# Altium PCB LM25119_EVB.PcbDoc (continued)
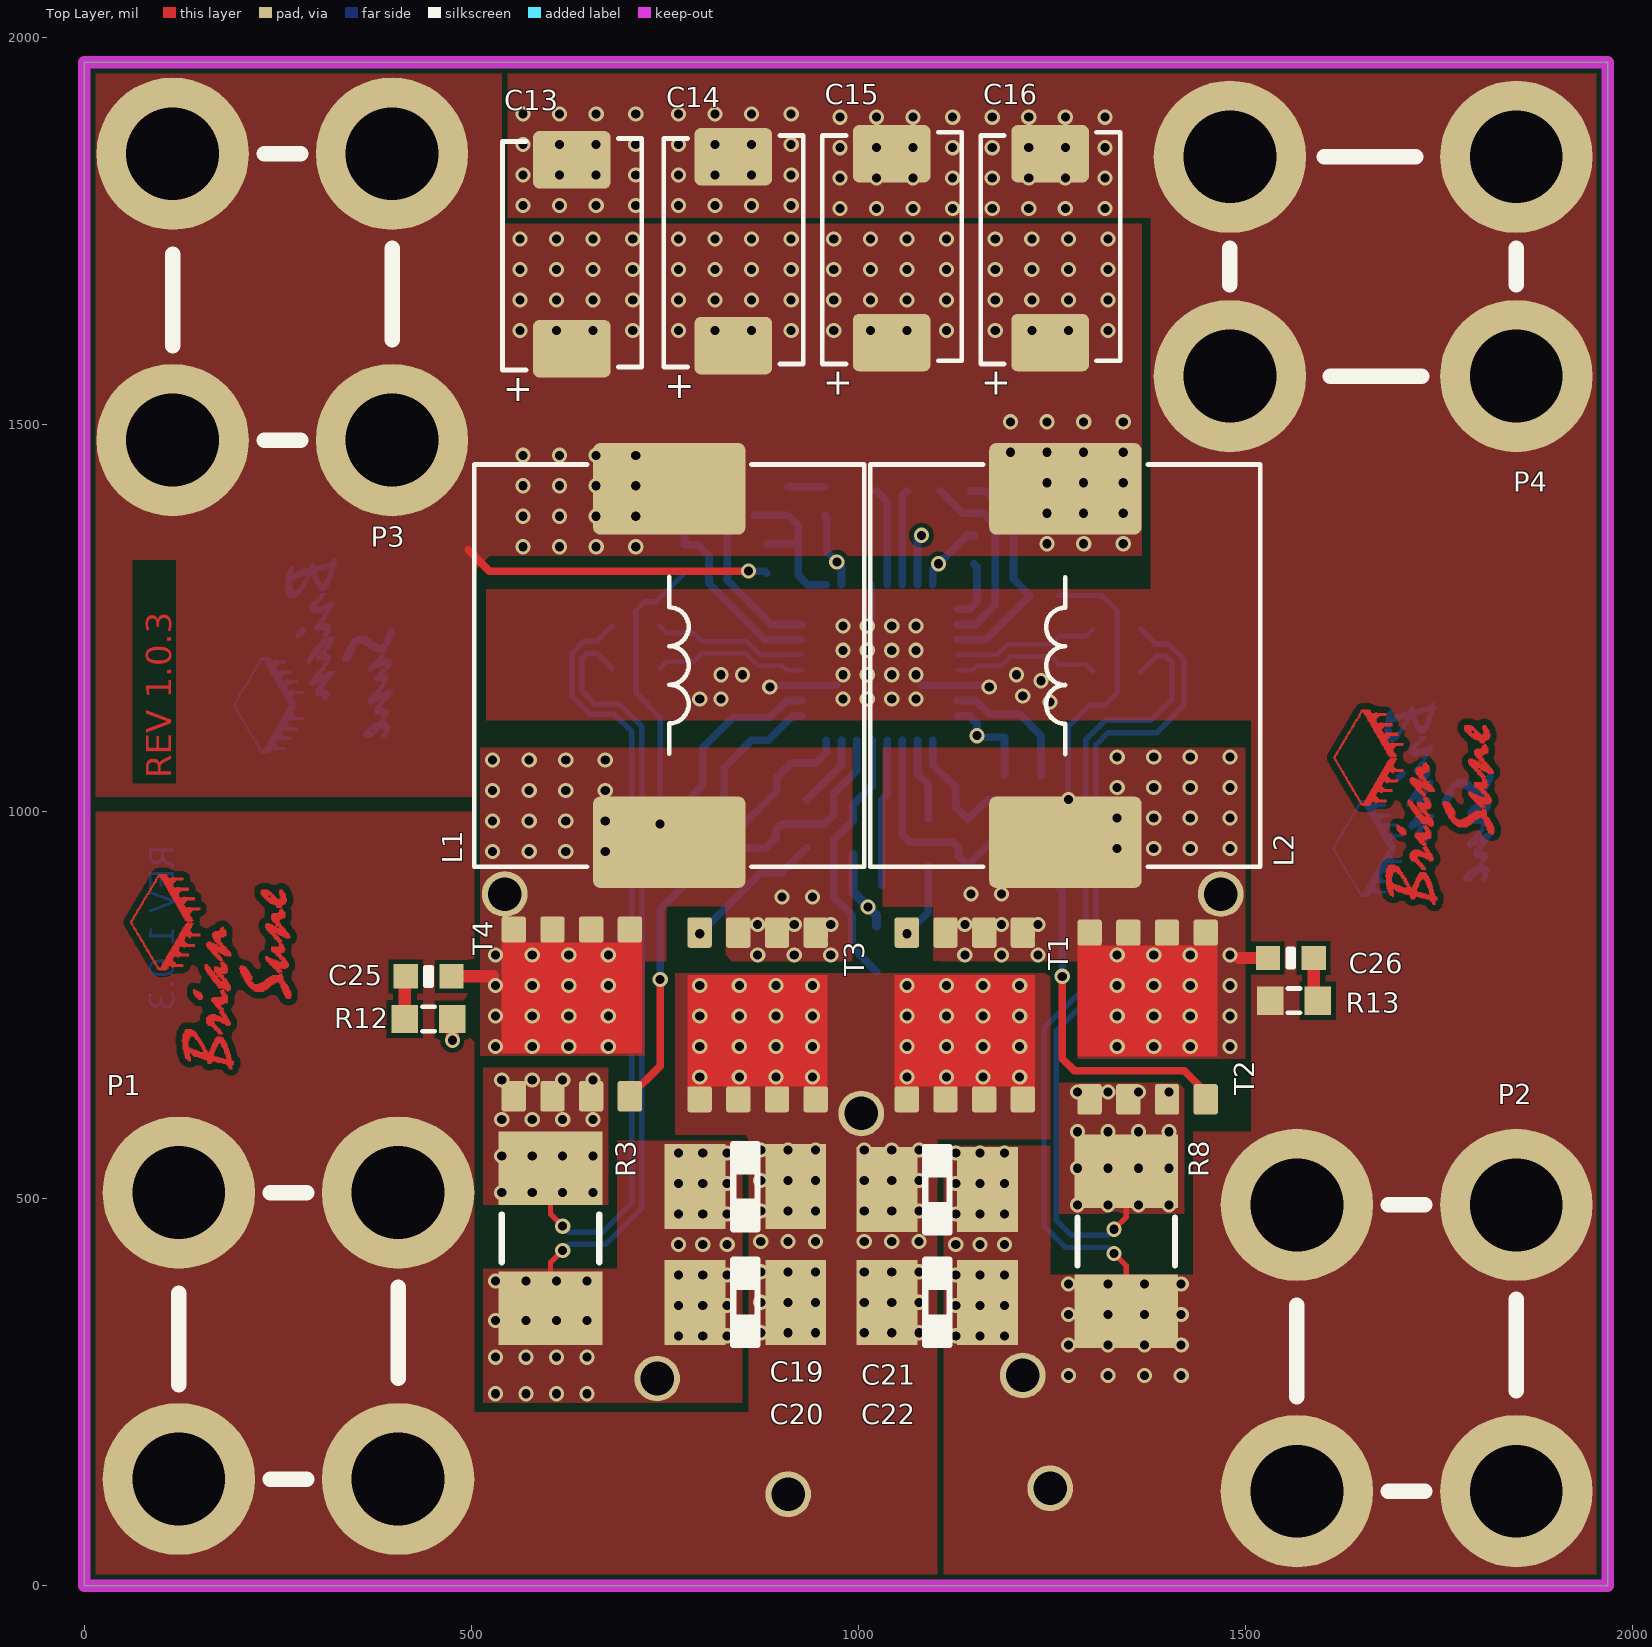
[diagram p0: Top Layer view]
## Layer stack, top to bottom
Top Solder: solder mask 0.4, Solder Resist, Dk 3.5
Top Layer: signal copper 1.4
Dielectric 2: prepreg 3.9133, PP-012, Dk 4.3
Layer 1: signal copper 0.5984
Dielectric 1: core 49.8031, Core-042, Dk 4.3
Layer 2: signal copper 0.5984
Dielectric 3: prepreg 3.9133, PP-012, Dk 4.3
Bottom Layer: signal copper 1.4
Bottom Solder: solder mask 0.4, Solder Resist, Dk 3.5

## Board outline
0,0 0,1968.5 1968.5,1968.5 1968.5,0

## Design rules (kind name [scope] priority, off if disabled: settings)
Clearance [All] p1: gap=6 ignorepadtopadclearanceinfootprint=FALSE except(0: Arc-Hole Track-Hole SMDPad-Hole THPad-Hole Via-Hole Fill-Hole Region-Hole Text-Hole; 7: Arc-Poly Track-Poly Fill-Poly Poly-Hole; 8: SMDPad-Region THPad-Poly THPad-Region Poly-Poly Poly-Region)
ComponentClearance [All] p1: gap=11.81 collisioncheckmode=3 verticalgap=11.81 showdistances=FALSE
DiffPairsRouting [All] p1: maxlimit=10 minlimit=6 mostfreqgap=8 toplayer_minwidth=6 toplayer_maxwidth=15 toplayer_prefwidth=8 midlayer1_minwidth=6 midlayer1_maxwidth=15 midlayer1_prefwidth=8 midlayer2_minwidth=6 midlayer2_maxwidth=15 midlayer2_prefwidth=8 bottomlayer_minwidth=6 bottomlayer_maxwidth=15 bottomlayer_prefwidth=8 maxuncoupledlength=500
Height [All] p1: minheight=0 maxheight=1574.8 prefheight=500
HoleSize [All] p1: absolutevalues=TRUE maxlimit=236.22 minlimit=1 maxpercent=80.000 minpercent=20.000
HoleToHoleClearance [All] p1: gap=3 allowstackedmicrovias=TRUE
MinimumSolderMaskSliver [All] p1: minsoldermaskwidth=1
PlaneConnect [All] p1: planeconnectstyle=Direct reliefexpansion=20 reliefentries=4 reliefconductorwidth=10 reliefairgap=10
PolygonConnect [All] p1: connectstyle=Direct reliefconductorwidth=12 reliefentries=4 polygonreliefangle="90 Angle" airgapwidth=12
RoutingVias [All] p1: holewidth=15.75 width=23.62 viastyle="Through Hole" minholewidth=11.81 minwidth=19.68 maxholewidth=110.24 maxwidth=118.11
SilkToSilkClearance [All] p1: silktosilkclearance=3
SilkToSolderMaskClearance [IsPad] p1: minsilkscreentomaskgap=1 clearancetoexposedcopper=TRUE
SolderMaskExpansion [All] p1: expansion=1
Width [All] p1: maxlimit=40 minlimit=6 preferedwidth=10
21 further rules are at their usual default settings.

## Classes and differential pairs
differential pair CS2: +CS2_P -CS2_N
differential pair CS1: +CS1_P -CS1_N

## Components (designator, comment, footprint, x,y, rotation, side; value= is the part's Value field where it differs from the comment)
B1 "0R" 0603 1090.55,960.63 r270 bottom
B2 "0R" 0603 1236.22,1015.75 r270 bottom
B3 "0R" 0603 933.07,984.25 r90 bottom
B4 "0R" 0603 779.53,984.25 r90 bottom
B5 "10R" 0603 712.6,1240.16 r0 bottom
B6 "10R" 0603 1334.65,1236.22 r0 bottom
B7 "10R" 0603 712.6,1185.04 r0 bottom
B8 "10R" 0603 1334.65,1181.1 r0 bottom
C1 "1uF" C0603 1188.98,1125.98 r90 bottom
C2 "100nF" C0603 1141.73,960.63 r90 bottom
C3 "47nF" 0402 818.9,1401.57 r270 bottom
C4 "47nF" 0402 1106.3,1433.07 r270 bottom
C5 "220nF" 0402 1062.99,1433.07 r270 bottom
C6 "820pF" 0402 1145.67,1433.07 r270 bottom
C7 "1uF" C0603 1023.62,822.83 r90 bottom
C8 "1uF" C0603 862.2,1122.05 r90 bottom
C9 "100nF" C0603 881.89,984.25 r90 bottom
C10 "820pF" 0402 775.59,1401.57 r270 bottom
C11 "5n6F" 0402 909.45,1401.57 r270 bottom
C12 "1nF" 0402 940.94,1346.46 r180 bottom
C13 "330uF" 7343 629.92,1720.47 r90 top
C14 "330uF" 7343 838.58,1724.41 r90 top
C15 "330uF" 7343 1043.31,1728.35 r90 top
C16 "330uF" 7343 1248.03,1728.35 r90 top
C17 "220pF" 0402 1011.81,905.51 r0 bottom
C19 "10uF" 1210 854.33,515.75 r0 top
C20 "10uF" 1210 854.33,366.14 r0 top
C21 "10uF" 1210 1102.36,511.81 r180 top
C22 "10uF" 1210 1102.36,366.14 r180 top
C23 "1nF" 0402 787.4,1212.6 r270 bottom
C24 "1nF" 0402 1259.84,1208.66 r270 bottom
C25 "1uF" C0603 444.88,787.4 r180 top
C26 "1uF" C0603 1559.06,811.02 r0 top
D1 "BAS516" SOD-523 1188.98,1015.75 r90 bottom
D2 "BAS516" SOD-523 826.77,984.25 r90 bottom
L1 "3.3uH" L126X 755.91,1188.98 r90 top locked
L2 "3.3uH" L126X 1267.72,1188.98 r270 top locked
P1 "M4_CON" PCBComponent_1 263.78,322.83 r0 top
P2 "M4_CON" PCBComponent_1 1708.66,307.09 r180 top
P3 "M4_CON" PCBComponent_1 255.91,1665.35 r180 top
P4 "M4_CON" PCBComponent_1 1665.35,1704.72 r270 top
R1 "0R" 0402 1149.61,1338.58 r270 bottom
R2 "36k5" 0402 1240.16,1279.53 r0 bottom
R3 "R003" R2512 602.36,448.82 r90 top
R4 "8k87" 0402 1011.81,944.88 r0 bottom
R5 "100k" 0402 1011.81,988.19 r180 bottom
R6 "21k5" 0402 1023.62,1433.07 r270 bottom
R7 "36k5" 0402 775.59,1326.77 r270 bottom
R8 "R003" R2512 1346.46,444.88 r90 top
R9 "12k" 0402 956.69,1401.57 r90 bottom
R10 "4k7" 0402 881.89,1326.77 r90 bottom
R11 "1k5" 0402 866.14,1401.57 r270 bottom
R12 "0R" 0603 444.88,732.28 r0 top
R13 "0R" 0603 1562.99,755.91 r180 top
T1 "BSC034N06NS" PQFNWB5x6 1137.8,736.22 r270 top
T2 "BSC034N06NS" PQFNWB5x6 1374.02,736.22 r90 top
T3 "BSC034N06NS" PQFNWB5x6 870.08,736.22 r270 top
T4 "BSC034N06NS" PQFNWB5x6 629.92,740.16 r90 top
U1 "LM25119" WQFN32 1027.56,1192.91 r0 bottom

## Footprints (in the part's own frame and the unit in brackets; to place one, negate y for a bottom-side part, rotate by r counter-clockwise, add the part's x,y. Pads: shape width x height; smd on the part's side, far side on the other; paste and mask are expansions set on the pad)
0402 [mil]
  rrect35% 20x22 smd: 1(-18.5,0) 2(18.5,0)
  silkscreen extent 0,-8 0,8, body extent -20,-10 20,10, height 20
0603 [mm]
  rect 0.87x0.93 smd: 1(-0.78,0) 2(0.78,0)
  silkscreen extent -0.2,-0.4 0.2,0.4, body extent -0.8,-0.4 0.8,0.4, height 0.8
1210 [mil]
  rect 78.74x110 smd paste+0 mask+0: 1(-65,0) 2(65,0)
  silkscreen extent -16,-55 16,55, body extent -73,-55 73,55, height 110
7343 [mil]
  rrect20% 74x100 smd: 1(-122.05,0) 2(122.05,0)
  silkscreen extent -150,-91 150,90, body extent -147,-88 147,89, height 124
C0603 [mm]
  rect 0.8x0.8 smd: 1(-0.75,0) 2(0.75,0)
  silkscreen extent -0.1,-0.3 0.1,0.3, body extent -0.8,-0.4 0.8,0.4, height 0.81
L126X [mm]
  rrect15% 3x5 smd: 1(-5.8,0) 2(5.8,0)
  silkscreen extent -6.6,-6.4 6.6,6.4, body extent -6.44,-6.25 6.46,6.25, height 6.4
PCBComponent_1 [mm]
  round 5 hole 3.05: 1(-3.6,-4.7) 1(-3.6,4.7) 1(3.6,-4.7) 1(3.6,4.7)
  silkscreen extent -3.6,-4.7 3.6,4.7
PQFNWB5x6 [mm]
  rrect20% 1x0.8 smd: 1(-2.738,1.905) 2(-2.738,0.635) 3(-2.738,-0.635) 4(-2.738,-1.905)
  rrect20% 0.85x0.8 smd: 5(2.738,-1.905) 6(2.738,-0.635) 7(2.738,0.635) 8(2.738,1.905)
  Top Layer region: 2.2,-2.3 2.454,-2.3 2.454,-1.5 2.2,-1.5
  Top Layer region: 2.2,-1.035 2.454,-1.035 2.454,-0.235 2.2,-0.235
  Top Layer region: 2.2,0.235 2.454,0.235 2.454,1.035 2.2,1.035
  Top Layer region: -1.338,-2.3 2.312,-2.3 2.312,2.3 -1.338,2.3
  Top Layer region: 2.454,2.3 2.2,2.3 2.2,1.5 2.454,1.5
  Top Layer region: -0.564,1.166 -0.564,1.166 -0.564,1.166 -0.564,1.166 -0.564,1.166 -0.564,1.166 -0.564,1.166 -0.564,1.166
  Top Layer region: -0.564,-1.166 -0.564,-1.166 -0.564,-1.166 -0.564,-1.166 -0.564,-1.166 -0.564,-1.166 -0.564,-1.166 -0.564,-1.166
  body extent -3.07,-2.57 3.08,2.58, height 1
R2512 [mil]
  rect 95x134 smd paste+0 mask+0: 1(-90.5,0) 2(90.5,0)
  silkscreen extent -31,-63 31,63, body extent -126,-63 126,63, height 23
SOD-523 [mm]
  rrect15% 0.7x0.5 smd: 1(-0.8,0) 2(0.8,0)
  silkscreen extent -0.19,-0.38 0.19,0.38, body extent -0.91,-0.42 0.92,0.42, height 0.71
WQFN32 [mm]
  rrect50% 0.85x0.245 smd: 1(-2.55,1.75) 2(-2.55,1.25) 3(-2.55,0.75) 4(-2.55,0.25) 5(-2.55,-0.25) 6(-2.55,-0.75) 7(-2.55,-1.25) 8(-2.55,-1.75) 17(2.55,-1.75) 18(2.55,-1.25) 19(2.55,-0.75) 20(2.55,-0.25) 21(2.55,0.25) 22(2.55,0.75) 23(2.55,1.25) 24(2.55,1.75)
  rrect50% 0.245x0.85 smd: 9(-1.75,-2.55) 10(-1.25,-2.55) 11(-0.75,-2.55) 12(-0.25,-2.55) 13(0.25,-2.55) 14(0.75,-2.55) 15(1.25,-2.55) 16(1.75,-2.55) 25(1.75,2.55) 26(1.25,2.55) 27(0.75,2.55) 28(0.25,2.55) 29(-0.25,2.55) 30(-0.75,2.55) 31(-1.25,2.55) 32(-1.75,2.55)
  rrect10% 3.1x3.1 smd: 33(0,0)
  silkscreen extent -2.7,-3.5 3.5,3.5, body extent -2.6,-2.6 2.6,2.6, height 0.71

## Part data
B1 B2 B3 B4 R12 R13: "0R 1/10W +/-1%", Mfr.=UNIOHM, ComponentLink1Description=taobao, ComponentLink1URL=https://item.taobao.com/item.htm?spm=a1z10.3-c-s.w4002-24706531953.10.66736a4boyPN1N&id=584519288165, Mfr. No=0R, Price=0.016
B5 B6 B7 B8: library part ARG03DTC0100, "10R 1/10W +/-0.5%", Mfr.=Viking, ComponentLink1Description=taobao, ComponentLink1URL=https://item.taobao.com/item.htm?spm=a1z09.2.0.0.6e162e8dlKCeMq&id=632526730087&_u=c10quk0k836f, Mfr. No=ARG03DTC0100, Price=0.044
C1 C7 C8 C25 C26: library part OUDEIBUN_1uF, "0603 1UF 16V 10% 105K X5R", Mfr.=OUDEIBUN, Mfr. No=105K, ComponentLink1Description=taobao, ComponentLink1URL=https://detail.tmall.com/item.htm?abbucket=11&id=610883455002&rn=96f7b0dde361d4c3b62eb7ab1af2da05&skuId=4292434832790&spm=a1z10.3-b.w4011-22147617817.48.46817d1eD6aiZS, Price=0.03
C2 C9: library part OUDEIBUN_100nF, "0603 100NF 50V 10% 104K X7R", Mfr.=OUDEIBUN, Mfr. No=104K, ComponentLink1Description=taobao, ComponentLink1URL=https://detail.tmall.com/item.htm?_u=p10quk0k2f35&id=610651934672&spm=a1z09.2.0.0.77b12e8d9iVia0&skuId=4463522550238, Price=0.025
C3 C4: library part OBEIDUN_47nF, "0402 47nF 473K 16V X7R", Mfr.=OBEIDUN, Mfr. No=473K, ComponentLink1Description=taobao, ComponentLink1URL=https://detail.tmall.com/item.htm?abbucket=13&id=610175557402&rn=d6bd0513a8f4c3e4804911bb922d3d96&skuId=4463850175314&spm=a1z10.3-b.w4011-22147617817.39.63c07d1eHWIor4, Price=0.03
C5: library part OBEIDUN_220nF, "0402 220nF 224K  50V X7R", Mfr.=OBEIDUN, Mfr. No=224K, ComponentLink1Description=taobao, ComponentLink1URL=https://detail.tmall.com/item.htm?abbucket=11&id=610639075445&rn=c45cf579a90ea6adc9060b093ff18dcd&skuId=4463795831944&spm=a312a.7700824.w4011-22147617817.53.51a47d1eimiUpx, Price=0.03
C6 C10: library part OBEIDUN_680pF, "680pF 50V 100V +/-5% 681J COG", Mfr.=OBEIDUN, Mfr. No=681J, ComponentLink1Description=taobao, ComponentLink1URL=https://detail.tmall.com/item.htm?abbucket=13&id=609631499278&rn=f5bd684ac3f51c46f888ad99ccd96ebe&spm=a1z10.3-b.w4011-22147617817.52.66d87d1eD7edtj&skuId=4450047134670, Price=0.02
C11: library part OBEIDUN_5n6F, "0402 562K 5.6NF 50V X7R", Mfr.=OBEIDUN, Mfr. No=562K, ComponentLink1Description=taobao, ComponentLink1URL=https://detail.tmall.com/item.htm?_u=i10quk0kb5ea&id=609907244741&spm=a1z09.2.0.0.485e2e8ddN1cee, Price=0.015
C12: library part OBEIDUN_22pF, "0402 22pF 50V 20J COG NPO", Mfr.=OBEIDUN, Mfr. No=220J, ComponentLink1Description=taobao, ComponentLink1URL=https://detail.tmall.com/item.htm?abbucket=13&id=609430597564&rn=a1c8a15a7d6b2f90e38db74694a5b856&spm=a1z10.3-b.w4011-22147617817.40.15037d1etTZYEz&skuId=4280449596223, Price=0.02
C13 C14 C15 C16: library part 6TPF330M9L, "6TPF330M9L 330UF 6.3V D Type", Mfr.=Panasonic, ComponentLink1Description=taobao, ComponentLink1URL=https://detail.tmall.com/item.htm?id=675742361610&spm=a1z0d.6639537/tb3.1997196601.4.3f437484l6zfPv, Mfr. No=6TPF330M9L, Price=2.5
C17: library part OBEIDUN_220pF, "OBEIDUN 0402 221J COG 50V", Mfr.=OBEIDUN, Mfr. No=221J, ComponentLink1Description=taobao, ComponentLink1URL=https://detail.tmall.com/item.htm?_u=l10quk0k03aa&id=608895064566&spm=a1z09.2.0.0.10c82e8dL5BzWq&skuId=4453182071791, Price=0.02
C19 C20 C21 C22: library part OUBEIDUN_106_X7R, "1210 10UF 106K 100V X7R", Mfr.=OUBEIDUN, Mfr. No=10uF/100V, ComponentLink1Description=taobao, ComponentLink1URL=https://detail.tmall.com/item.htm?_u=q10quk0k91e6&id=610720536810&spm=a1z09.2.0.0.680e2e8dgSrizI&skuId=4470822090146, Price=0.6
C23 C24: library part RAINPOLE_2n2F, "RAINPOLE 0402 2.2nF 5% 50V NPO", Mfr.=RAINPOLE, Mfr. No=222J, ComponentLink1Description=taobao, ComponentLink1URL=https://detail.tmall.com/item.htm?abbucket=11&id=577480004200&rn=e81fc7a7675914d6e9f82eba46a12cbb&skuId=3986690931935&spm=a1z10.3-b-s.w4011-12364813249.37.6d9c1ed6XWLE9d, Price=0.04
D1 D2: library part OBEIDUN_BAS516, "SOD-523 100V/250mA", Mfr.=OBEIDUN, Mfr. No=BAS516,61, ComponentLink1Description=taobao, ComponentLink1URL=https://detail.tmall.com/item.htm?abbucket=11&id=627344864030&rn=9e03fb0dc0c82be40d648479edaa9265&skuId=4457291933929&spm=a1z10.3-b.w4011-22147617817.46.572e7d1eRfO8kn, Price=0.14
L1 L2: library part L1260_332, "HC1260 3R3M", Mfr.="Xing Guangzhou", Mfr. No=HC1260_3R3, ComponentLink1Description=taobao, ComponentLink1URL=https://item.taobao.com/item.htm?spm=a1z09.2.0.0.57072e8dYkUt8H&id=10840816607&_u=410quk0k837d, Price=1.2
P1 P2 P3 P4: Mfr.=LFX, Mfr. No=PCB-10-4, ComponentLink1Description=taobao, ComponentLink1URL=https://item.taobao.com/item.htm?spm=a1z09.2.0.0.45712e8dxvwLo5&id=531030902005&_u=s10quk0k994a, Price=0.41
R1: library part OUDEIBUN_0R, "OUDEIBUN / 0R 1% 1/16W", Mfr.=OUDEIBUN, ComponentLink1Description=taobao, ComponentLink1URL=https://detail.tmall.com/item.htm?abbucket=11&id=609078082053&rn=dd22835191e181ef543cf6f0827e8de3&spm=a1z10.3-b.w4011-22147617817.40.1e787d1eBkSpf5&skuId=4447040574382, Mfr. No=0R, Price=0.02
R2 R7: library part OUDEIBUN_36k5, "OUDEIBUN / 36k5 1% 1/16W", Mfr.=OUDEIBUN, ComponentLink1Description=taobao, ComponentLink1URL=https://detail.tmall.com/item.htm?abbucket=11&id=656599902463&rn=b271eb3836211a3eb1da72e116a619f1&skuId=4912168475534&spm=a1z10.3-b.w4011-22147617817.19.bd537d1eRNyfmb, Mfr. No=36k5, Price=0.02
R3 R8: library part OUDEIBUN_R003, "OUDEIBUN / 2W 0.003R +/-1%", Mfr.=OUDEIBUN, ComponentLink1Description=taobao, ComponentLink1URL=https://detail.tmall.com/item.htm?abbucket=11&id=607939756288&rn=a98d1040de4f4962c72f4eee3717b5a4&spm=a1z10.3-b.w4011-22147617817.28.6a7a7d1eCVFt1r&skuId=4272437489559, Mfr. No=R003, Price=0.33
R4: library part UNIOHM_8k87, "UNIOHM / 8k87 1% 1/16W", Mfr.=UNIOHM, Mfr. No=0402WGF8871TCE, ComponentLink1Description=taobao, ComponentLink1URL=https://item.taobao.com/item.htm?spm=a1z09.2.0.0.526a2e8dtHz0un&id=605027116229&_u=110quk0kf99f, Price=0.012
R5: library part UNIOHM_100k, "UNIOHM / 1% 100k", Mfr.=UNIOHM, ComponentLink1Description=taobao, ComponentLink1URL=https://item.taobao.com/item.htm?spm=a1z09.2.0.0.44de2e8d3IDpt5&id=525633701805&_u=o10quk0k9fd0, Mfr. No=100k, Price=0.012
R6: library part OUDEIBUN_21k5, "OUDEIBUN / 21k5 1% 1/16W", Mfr.=OUDEIBUN, ComponentLink1Description=taobao, ComponentLink1URL=https://detail.tmall.com/item.htm?_u=310quk0k3cbb&id=656218957556&spm=a1z09.2.0.0.d5442e8dvaKsoM&skuId=4912158475130, Mfr. No=21k5, Price=0.02
R9: library part OUDEIBUN_12k, "OUDEIBUN / 12k 1% 1/16W", Mfr.=OUDEIBUN, ComponentLink1Description=taobao, ComponentLink1URL=https://detail.tmall.com/item.htm?abbucket=11&id=655765932456&rn=02d1aad3326fb9002d0e9ee11440ad53&skuId=4733468228268&spm=a1z10.3-b.w4011-22147617817.23.a0227d1efWkiz2, Mfr. No=12k, Price=0.02
R10: library part OUDEIBUN_4k7, "OUDEIBUN / 4k7 1% 1/16W", Mfr.=OUDEIBUN, ComponentLink1Description=taobao, ComponentLink1URL=https://detail.tmall.com/item.htm?abbucket=11&id=609306247616&rn=b12b173379d08c9da521548aa8f3873c&spm=a1z10.3-b.w4011-22147617817.66.27437d1eyVjB3l&skuId=4279727269027, Mfr. No=4k7, Price=0.02
R11: library part OUDEIBUN_1k5, "OUDEIBUN / 1% 1k5", Mfr.=OUDEIBUN, ComponentLink1Description=taobao, ComponentLink1URL=https://detail.tmall.com/item.htm?abbucket=11&id=609080898470&rn=e8ac5f428b57ca8c5f4fd2285344b596&spm=a1z10.3-b.w4011-22147617817.56.4da07d1eK35JhM&skuId=4276063084040, Mfr. No=1k5, Price=0.02
T1 T2 T3 T4: "MPower Transistor, 60V", Mfr.="Infineon Technologies", ComponentLink1Description=taobao, ComponentLink1URL=https://detail.tmall.com/item.htm?abbucket=12&id=712516353118&ns=1&spm=a21n57.1.0.0.5a70523ceCAuo0&skuId=4992670365636, Mfr. No=BSC034N06NS, Price=4.5
U1: "Wide Input Range, Dual Synchronous Buck Controller", Mfr.="Texas Instruments", Mfr. No=LM25119PSQ, ComponentLink1Description=taobao, ComponentLink1URL=https://item.taobao.com/item.htm?spm=a1z09.2.0.0.57392e8dDftXgF&id=750183520652&_u=110quk0kdafb, Price=10.0

## Free pads (board coordinates)
  round 59.06 hole 43.31 paste+0 mask+0.04: 2(909.45,118.11) 3(1248.03,125.98) 4(543.31,893.7) 4(740.16,267.72) 4(1003.94,610.24) 4(1212.6,271.65) 4(1468.5,893.7)
  round 62.99 smd far side: 9(763.78,893.7) 9(842.52,897.64) 9(1090.55,870.08) 9(1236.22,925.2)

## Via types
v1: diameter 19.68, hole 11.81, Top Layer to Bottom Layer, tented both sides, 464 vias

## Nets (pads, with @x,y where several pads share a name; then routed paths per layer and width w, separated by ;. In a path a pad name is that pad's centre, name@x,y a point inside that pad or via, vN(x,y) a via of type N, cw(c..) or ccw(c..) an arc to the next point about the centre after c; other vN are vias at no path point)
AGND: B7.1 B8.2 C1.2 C3.1 C4.1 C5.1 C6.1 C7.2 C8.2 C10.1 C13.2 C14.2 C15.2 C16.2 C17.1 C19.1 C20.1 C21.1 C22.1 P2.1 P4.1 pad.3 pad.4@740.16,267.72 pad.4@1212.6,271.65 R3.1 R4.1 R6.1 R8.1 R11.1 R12.2 R13.2 U1.3 U1.12 U1.22 U1.33 | length 2415.1
  Top Layer w7: R3.1 602.36,417.32 v1(618.11,433.07) ; v1(1330.71,429.13) 1346.46,413.39 R8.1
  Top Layer w16: v1(475.59,704.72) R12.2
  Bottom Layer w7: v1(618.11,433.07) 625.98,440.94 673.23,440.94 720.47,488.19 720.47,1110.24 692.91,1137.8 691.61,1137.8 690.42,1138.98 660.23,1138.98 642.92,1156.29 642.92,1198.04 649.61,1204.72 662.2,1204.72 B7.1 ; U1.33@1017.72,1246.69 U1.12 ; v1(1330.71,429.13) 1322.83,437.01 1267.72,437.01 1240.16,464.57 1240.16,720.47 1294.09,774.4 1294.09,1093.3 1318.9,1118.11 1377.95,1118.11 1405.51,1145.67 1405.51,1192.91 1397.64,1200.79 1385.04,1200.79 B8.2
  Bottom Layer w10: 897.64,1163.39 U1.3 U1.33@972.44,1163.39 ; U1.33@1082.68,1163.39 U1.22 1157.48,1163.39
  Bottom Layer w12: R4.1 C17.1 993.31,896.45 v1(1012.8,876.97) 1023.62,866.14 C7.2
  other v1: 531.5,248.03 570.87,248.03 610.24,248.03 649.61,248.03 1271.65,271.65 1322.83,271.65 1370.08,271.65 1417.32,271.65 531.5,295.28 570.87,295.28 610.24,295.28 649.61,295.28 1271.65,311.02 1322.83,311.02 1370.08,311.02 1417.32,311.02 767.72,322.83 799.21,322.83 830.71,322.83 1125.98,322.83 1157.48,322.83 1188.98,322.83 531.5,342.52 570.87,342.52 610.24,342.52 649.61,342.52 1271.65,350.39 1322.83,350.39 1370.08,350.39 1417.32,350.39 767.72,362.2 799.21,362.2 830.71,362.2 1125.98,362.2 1157.48,362.2 1188.98,362.2 1271.65,389.76 1322.83,389.76 1370.08,389.76 1417.32,389.76 531.5,393.7 570.87,393.7 610.24,393.7 649.61,393.7 767.72,401.57 799.21,401.57 830.71,401.57 1125.98,401.57 1157.48,401.57 1188.98,401.57 767.72,440.94 799.21,440.94 830.71,440.94 1125.98,440.94 1157.48,440.94 1188.98,440.94 767.72,480.31 799.21,480.31 830.71,480.31 1125.98,480.31 1157.48,480.31 1188.98,480.31 767.72,519.69 799.21,519.69 830.71,519.69 1125.98,519.69 1157.48,519.69 1188.98,519.69 767.72,559.05 799.21,559.05 830.71,559.05 1125.98,559.05 1157.48,559.05 1188.98,559.05 1248.03,1141.73 795.28,1145.67 822.83,1145.67 980.31,1145.67 1011.81,1145.67 1043.31,1145.67 1074.8,1145.67 1212.6,1149.61 885.83,1161.42 1169.29,1161.42 1236.22,1169.29 822.83,1177.17 850.39,1177.17 980.31,1177.17 1011.81,1177.17 1043.31,1177.17 1074.8,1177.17 1204.72,1177.17 980.31,1208.66 1011.81,1208.66 1043.31,1208.66 1074.8,1208.66 980.31,1240.16 1011.81,1240.16 1043.31,1240.16 1074.8,1240.16 976.38,1779.53 1023.62,1779.53 1070.87,1779.53 1122.05,1779.53 1173.23,1779.53 1220.47,1779.53 1267.72,1779.53 1318.9,1779.53 566.93,1783.46 614.17,1783.46 661.42,1783.46 712.6,1783.46 767.72,1783.46 814.96,1783.46 862.2,1783.46 913.39,1783.46 976.38,1818.9 1023.62,1818.9 1070.87,1818.9 1122.05,1818.9 1173.23,1818.9 1220.47,1818.9 1267.72,1818.9 1318.9,1818.9 566.93,1822.83 614.17,1822.83 661.42,1822.83 712.6,1822.83 767.72,1822.83 814.96,1822.83 862.2,1822.83 913.39,1822.83 976.38,1858.27 1023.62,1858.27 1070.87,1858.27 1122.05,1858.27 1173.23,1858.27 1220.47,1858.27 1267.72,1858.27 1318.9,1858.27 566.93,1862.2 614.17,1862.2 661.42,1862.2 712.6,1862.2 767.72,1862.2 814.96,1862.2 862.2,1862.2 913.39,1862.2 976.38,1897.64 1023.62,1897.64 1070.87,1897.64 1122.05,1897.64 1173.23,1897.64 1220.47,1897.64 1267.72,1897.64 1318.9,1897.64 566.93,1901.57 614.17,1901.57 661.42,1901.57 712.6,1901.57 767.72,1901.57 814.96,1901.57 862.2,1901.57 913.39,1901.57
CS1_N: B7.2 C23.2 U1.4 | length 201
  Bottom Layer w6: B7.2 752.37,1194.1 C23.2 798.03,1204.72 854.33,1204.72 870.08,1188.98 901.57,1188.98 907.48,1183.07 U1.4
CS1_P: B5.2 C23.1 U1.5 | length 199.4
  Bottom Layer w6: B5.2 752.37,1231.1 C23.1 798.03,1220.47 855.55,1220.47 873.27,1202.76 U1.5
CS2_N: B8.1 C24.2 U1.21 | length 191.5
  Bottom Layer w6: U1.21 1147.64,1183.07 1153.54,1188.98 1185.04,1188.98 1196.85,1200.79 1249.22,1200.79 C24.2 1294.88,1190.16 B8.1
CS2_P: B6.1 C24.1 U1.20 | length 189.8
  Bottom Layer w6: U1.20 1179.13,1202.76 1192.91,1216.54 1249.22,1216.54 C24.1 1294.88,1227.16 B6.1
NetB1_1: B1.1 U1.26 | length 106.9
  Bottom Layer w10: U1.26 1076.77,1049.21 1090.55,1035.43 B1.1
NetB1_2: B1.2 pad.9@1090.55,870.08 T1.4 | length 98.8
  Bottom Layer w10: v1(1062.99,842.52) 1090.55,870.08 B1.2
NetB2_1: B2.1 U1.23 | length 179
  Bottom Layer w10: U1.23 1151.57,1143.7 1169.29,1125.98 1208.66,1125.98 1236.22,1098.43 B2.1
NetB2_2: B2.2 pad.9@1236.22,925.2 T2.4 | length 527.8
  Top Layer w10: v1(1263.78,787.4) 1263.78,681.1 1279.53,665.35 1421.26,665.35 1449.02,637.6 T2.4
  Bottom Layer w10: B2.2 1236.22,925.2 1263.78,897.64 v1(1263.78,787.4)
NetB3_1: B3.1 pad.9@842.52,897.64 T3.4 | length 183.8
  Bottom Layer w10: v1(795.28,842.52) 874.02,921.26 900.79,921.26 B3.1
NetB3_2: B3.2 U1.31 | length 96.3
  Bottom Layer w10: B3.2 978.35,1060.24 U1.31
NetB4_1: B4.1 pad.9@763.78,893.7 T4.4 | length 352.1
  Top Layer w10: T4.4 744.09,671.56 v1(744.09,783.46)
  Bottom Layer w10: v1(744.09,783.46) 744.09,874.02 763.78,893.7 779.53,909.45 B4.1
NetB4_2: B4.2 U1.2 | length 229.1
  Bottom Layer w10: B4.2 799.21,1034.65 799.21,1082.68 838.58,1122.05 885.83,1122.05 907.48,1143.7 U1.2
NetB5_1: B5.1 R3.2 T4.1 T4.2 T4.3 | length 1016.8
  Top Layer w7: R3.2 602.36,480.31 v1(618.11,464.57)
  Bottom Layer w7: v1(618.11,464.57) 625.98,456.69 669.29,456.69 707.47,494.87 707.47,1103.55 685.04,1125.98 653.54,1125.98 629.92,1149.61 629.92,1204.72 645.67,1220.47 662.2,1220.47 B5.1
  other v1: 539.37,507.87 578.74,507.87 618.11,507.87 657.48,507.87 539.37,555.12 578.74,555.12 618.11,555.12 657.48,555.12 539.37,602.36 578.74,602.36 618.11,602.36 657.48,602.36 539.37,653.54 578.74,653.54 618.11,653.54 657.48,653.54
NetB6_2: B6.2 R8.2 T2.1 T2.2 T2.3 | length 1069.5
  Top Layer w7: v1(1330.71,460.63) 1346.46,476.38 R8.2
  Bottom Layer w7: v1(1330.71,460.63) 1322.83,452.76 1275.59,452.76 1255.91,472.44 1255.91,716.54 1307.09,767.72 1307.09,1086.61 1322.83,1102.36 1385.83,1102.36 1421.26,1137.8 1421.26,1196.85 1401.57,1216.54 1385.04,1216.54 B6.2
  other v1: 1283.46,492.13 1322.83,492.13 1362.2,492.13 1401.57,492.13 1283.46,539.37 1322.83,539.37 1362.2,539.37 1401.57,539.37 1283.46,586.61 1322.83,586.61 1362.2,586.61 1401.57,586.61 1283.46,637.8 1322.83,637.8 1362.2,637.8 1401.57,637.8
NetC1_1: C1.1 D1.2 R1.1 U1.16 U1.24 | length 464.6
  Layer 1 w10: v1(1103.94,1320.47) 1103.94,1148.03 v1(1153.54,1098.43)
  Bottom Layer w10: U1.16 1096.46,1312.99 v1(1103.94,1320.47) 1140.55,1357.08 R1.1 ; U1.24 1143.7,1124.02 1153.54,1114.17 v1(1153.54,1098.43) 1155.51,1096.46 C1.1 D1.2
NetC2_1: C2.1 D1.1 U1.27 | length 301.5
  Bottom Layer w10: U1.27 1057.09,970.47 1066.93,960.63 1122.05,960.63 1129.92,952.76 1129.92,942.91 C2.1 1188.98,978.35 D1.1
NetC2_2: C2.2 C26.1 L2.2 pad.4@1468.5,893.7 R2.2 T1.1 T1.2 T1.3 T2.5 T2.6 T2.7 T2.8 U1.25 | length 664.9
  Top Layer w16: 1492.13,811.02 C26.1
  Bottom Layer w7: R2.2 1314.96,1279.53 1334.65,1259.84 1334.65,1153.54 1318.9,1137.8 1299.21,1137.8 1271.65,1110.24 v1(1271.65,1015.75)
  Bottom Layer w10: U1.25 1096.46,1061.02 1125.98,1031.5 1125.98,1005.91 C2.2 1167.32,1015.75 v1(1271.65,1015.75)
  other v1: 1334.65,696.85 1381.89,696.85 1429.13,696.85 1480.32,696.85 1334.65,736.22 1381.89,736.22 1429.13,736.22 1480.32,736.22 1334.65,775.59 1381.89,775.59 1429.13,775.59 1480.32,775.59 1137.8,814.96 1185.04,814.96 1232.28,814.96 1334.65,814.96 1381.89,814.96 1429.13,814.96 1480.32,814.96 1137.8,854.33 1185.04,854.33 1232.28,854.33 1145.67,893.7 1185.04,893.7 1334.65,952.76 1381.89,952.76 1429.13,952.76 1480.32,952.76 1334.65,992.13 1381.89,992.13 1429.13,992.13 1480.32,992.13 1334.65,1031.5 1381.89,1031.5 1429.13,1031.5 1480.32,1031.5 1334.65,1070.87 1381.89,1070.87 1429.13,1070.87 1480.32,1070.87
NetC3_2: C3.2 U1.7 | length 208.9
  Bottom Layer w10: C3.2 830.71,1371.26 830.71,1299.21 887.8,1242.13 U1.7
NetC4_2: C4.2 U1.18 | length 251.5
  Bottom Layer w10: C4.2 1135.04,1385.83 1161.42,1385.83 1177.17,1370.08 1177.17,1267.72 1151.57,1242.13 U1.18
NetC5_2: C5.2 U1.14 | length 123.7
  Bottom Layer w10: U1.14 1057.09,1408.67 C5.2
NetC6_2: C6.2 R2.1 U1.19 | length 294.7
  Bottom Layer w10: U1.19 1164.57,1222.44 R2.1 1200.79,1300.4 1200.79,1377.95 1164.17,1414.57 C6.2
NetC8_1: C8.1 D2.2 U1.1 | length 169.5
  Bottom Layer w10: D2.2 826.77,1057.09 C8.1 883.86,1092.52 915.35,1124.02 U1.1
NetC9_1: C9.1 D2.1 U1.30 | length 274.1
  Bottom Layer w10: D2.1 879.92,952.76 C9.1 893.7,966.54 893.7,976.38 901.57,984.25 956.69,984.25 968.5,996.06 968.5,1023.62 998.03,1053.15 U1.30
NetC9_2: C9.2 C25.1 L1.1 pad.4@543.31,893.7 R7.2 T3.1 T3.2 T3.3 T4.5 T4.6 T4.7 T4.8 U1.32 | length 703.9
  Top Layer w16: C25.1 527.56,787.4
  Bottom Layer w7: v1(744.09,984.25) 744.09,1122.05 712.6,1153.54 712.6,1259.84 724.41,1271.65 738.97,1271.65 R7.2
  Bottom Layer w10: v1(744.09,984.25) 852.36,984.25 C9.2 894.69,1026.57 894.69,1044.29 913.39,1062.99 944.88,1062.99 958.66,1076.77 U1.32
  other v1: 531.5,696.85 578.74,696.85 625.98,696.85 677.17,696.85 531.5,736.22 578.74,736.22 625.98,736.22 677.17,736.22 531.5,775.59 578.74,775.59 625.98,775.59 677.17,775.59 531.5,814.96 578.74,814.96 625.98,814.96 677.17,814.96 870.08,814.96 917.32,814.96 964.57,814.96 870.08,854.33 917.32,854.33 964.57,854.33 901.57,889.76 940.94,889.76 527.56,948.82 574.8,948.82 622.05,948.82 673.23,948.82 527.56,988.19 574.8,988.19 622.05,988.19 673.23,988.19 527.56,1027.56 574.8,1027.56 622.05,1027.56 673.23,1027.56 527.56,1066.93 574.8,1066.93 622.05,1066.93 673.23,1066.93
NetC10_2: C10.2 R7.1 U1.6 | length 261
  Bottom Layer w10: C10.2 R7.1 792.52,1345.27 807.09,1330.71 807.09,1295.28 879.92,1222.44 U1.6
NetC11_1: C11.1 R9.2 | length 47.2
  Bottom Layer w10: C11.1 R9.2
NetC11_2: C11.2 C12.2 R10.2 R11.2 U1.9 | length 208.3
  Bottom Layer w10: R11.2 C11.2 922.44,1370.08 C12.2 ; R10.2 883.07,1346.46 C12.2 ; U1.9 935.04,1293.31 922.44,1305.9 C12.2
NetC12_1: C12.1 R9.1 U1.10 U1.15 | length 288.3
  Layer 1 w10: v1(972.44,1322.83) 992.13,1342.52 1066.93,1342.52 v1(1081.69,1357.28)
  Bottom Layer w10: R9.1 959.44,1380.32 C12.1 959.44,1335.83 978.35,1316.93 U1.10 ; U1.15 1076.77,1352.36 v1(1081.69,1357.28)
NetC17_2: C17.2 R4.2 R5.1 U1.28 | length 189.9
  Bottom Layer w10: C17.2 R4.2 R5.1 1030.31,1014.56 1037.4,1021.65 U1.28
NetC25_2: C25.2 R12.1 | length 55.6
  Top Layer w16: R12.1 414.17,786.22 C25.2
NetC26_2: C26.2 R13.1 | length 57.2
  Top Layer w16: C26.2 1588.58,761.02 R13.1
NetR1_2: R1.2 U1.17 | length 79.7
  Bottom Layer w10: U1.17 1143.7,1261.81 1153.54,1271.65 1153.54,1316.15 R1.2
NetR6_2: R6.2 U1.13 | length 127
  Bottom Layer w10: R6.2 1037.4,1400.79 U1.13
VOUT: C13.1 C14.1 C15.1 C16.1 L1.2 L2.1 P3.1 R10.1 | length 398.4
  Top Layer w10: 496.06,1338.58 523.62,1311.02 v1(858.27,1311.02)
  Bottom Layer w10: v1(858.27,1311.02) 879.14,1311.02 R10.1
  other v1: 566.93,1342.52 614.17,1342.52 661.42,1342.52 712.6,1342.52 1244.09,1346.46 1291.34,1346.46 1342.52,1346.46 566.93,1381.89 614.17,1381.89 661.42,1381.89 712.6,1381.89 1244.09,1385.83 1291.34,1385.83 1342.52,1385.83 566.93,1421.26 614.17,1421.26 661.42,1421.26 712.6,1421.26 1244.09,1425.2 1291.34,1425.2 1342.52,1425.2 566.93,1460.63 614.17,1460.63 661.42,1460.63 712.6,1460.63 1196.85,1464.57 1244.09,1464.57 1291.34,1464.57 1342.52,1464.57 1196.85,1503.94 1244.09,1503.94 1291.34,1503.94 1342.52,1503.94 562.99,1622.05 610.24,1622.05 657.48,1622.05 708.66,1622.05 767.72,1622.05 814.96,1622.05 862.2,1622.05 913.39,1622.05 968.5,1622.05 1015.75,1622.05 1062.99,1622.05 1114.17,1622.05 1177.17,1622.05 1224.41,1622.05 1271.65,1622.05 1322.83,1622.05 562.99,1661.42 610.24,1661.42 657.48,1661.42 708.66,1661.42 767.72,1661.42 814.96,1661.42 862.2,1661.42 913.39,1661.42 968.5,1661.42 1015.75,1661.42 1062.99,1661.42 1114.17,1661.42 1177.17,1661.42 1224.41,1661.42 1271.65,1661.42 1322.83,1661.42 562.99,1700.79 610.24,1700.79 657.48,1700.79 708.66,1700.79 767.72,1700.79 814.96,1700.79 862.2,1700.79 913.39,1700.79 968.5,1700.79 1015.75,1700.79 1062.99,1700.79 1114.17,1700.79 1177.17,1700.79 1224.41,1700.79 1271.65,1700.79 1322.83,1700.79 562.99,1740.16 610.24,1740.16 657.48,1740.16 708.66,1740.16 767.72,1740.16 814.96,1740.16 862.2,1740.16 913.39,1740.16 968.5,1740.16 1015.75,1740.16 1062.99,1740.16 1114.17,1740.16 1177.17,1740.16 1224.41,1740.16 1271.65,1740.16 1322.83,1740.16
VWPT: C7.1 C19.2 C20.2 C21.2 C22.2 P1.1 pad.2 pad.4@1003.94,610.24 R5.2 T1.5 T1.6 T1.7 T1.8 T3.5 T3.6 T3.7 T3.8 U1.29 | length 342.4
  Bottom Layer w10: U1.29 1017.72,1033.46 993.31,1009.06 R5.2 968.5,963.38 968.5,889.76 992.13,866.14 992.13,824.8 C7.1
  other v1: 874.02,326.77 909.45,326.77 944.88,326.77 1007.87,326.77 1043.31,326.77 1078.74,326.77 874.02,366.14 909.45,366.14 944.88,366.14 1007.87,366.14 1043.31,366.14 1078.74,366.14 874.02,405.51 909.45,405.51 944.88,405.51 1007.87,405.51 1043.31,405.51 1078.74,405.51 874.02,444.88 909.45,444.88 944.88,444.88 1007.87,444.88 1043.31,444.88 1078.74,444.88 874.02,484.25 909.45,484.25 944.88,484.25 1007.87,484.25 1043.31,484.25 1078.74,484.25 874.02,523.62 909.45,523.62 944.88,523.62 1007.87,523.62 1043.31,523.62 1078.74,523.62 874.02,562.99 909.45,562.99 944.88,562.99 1007.87,562.99 1043.31,562.99 1078.74,562.99 795.28,657.48 846.46,657.48 893.7,657.48 940.94,657.48 1062.99,657.48 1114.17,657.48 1161.42,657.48 1208.66,657.48 795.28,696.85 846.46,696.85 893.7,696.85 940.94,696.85 1062.99,696.85 1114.17,696.85 1161.42,696.85 1208.66,696.85 795.28,736.22 846.46,736.22 893.7,736.22 940.94,736.22 1062.99,736.22 1114.17,736.22 1161.42,736.22 1208.66,736.22 795.28,775.59 846.46,775.59 893.7,775.59 940.94,775.59 1062.99,775.59 1114.17,775.59 1161.42,775.59 1208.66,775.59
pads on no net: U1.8 U1.11

## Polygon pours and split planes (outlines as drawn)
AGND on Top Layer "AGND_L01_P296" (solid, remove dead copper, pour order 296): 1377.95,1287.4 519.68,1287.4 519.68,1118.11 1507.87,1118.11 1507.87,586.61 1433.07,586.61 1433.07,401.57 1248.03,401.57 1248.03,576.83 1102.11,576.83 1102.12,0 1968.5,0 1968.51,1968.5 547.24,1968.51 547.24,1767.71 1377.95,1767.72
NetC2_2 on Top Layer "NETC2_2_L01_P294" (solid, remove dead copper, pour order 294): 1500,681.1 1283.46,681.1 1283.46,807.09 1031.5,807.09 1031.5,1082.68 1500,1082.68
VOUT on Top Layer "Top Layer-VOUT" (solid, remove dead copper, pour order 297): 503.94,1311.02 523.62,1330.71 1366.14,1330.71 1366.14,1968.5 0,1968.5 0,1019.68 503.94,1019.68
NetB6_2 on Top Layer "NETB6_2_L01_P289" (solid, remove dead copper, pour order 289): 1421.26,649.61 1421.26,480.31 1259.84,480.31 1259.84,649.61
VWPT on Top Layer "VWPT_L01_P295" (solid, remove dead copper, pour order 295): 858.27,224.41 503.94,224.41 503.94,1000 0,1000 0,0 1102.36,0 1102.36,576.83 1248.03,576.83 1248.03,791.34 763.78,791.34 763.78,576.83 858.27,576.83
NetB5_1 on Top Layer "NETB5_1_L01_P290" (solid, remove dead copper, pour order 290): 677.17,669.29 515.75,669.29 515.75,492.13 677.17,492.13
NetC9_2 on Top Layer "NETC9_2_L01_P293" (solid, remove dead copper, pour order 293): 511.81,685.04 724.41,685.04 724.41,807.09 992.13,807.09 992.13,1082.68 511.81,1082.68
AGND on Top Layer "AGND_L01_P292" (solid, remove dead copper, pour order 292): 688.98,409.45 515.75,409.45 515.75,236.22 850.39,236.22 850.39,574.8 688.98,574.8
AGND on Bottom Layer "AGND_L04_P318" (solid, remove dead copper, pour order 318): 1968.5,1968.5 0,1968.51 0,0 1968.5,0
NetB6_2 on Bottom Layer "NETB6_2_L04_P313" (solid, remove dead copper, pour order 313): 1271.65,665.35 1421.26,665.35 1421.26,480.31 1271.65,480.31
AGND on Bottom Layer "AGND_L04_P310" (solid, remove dead copper, pour order 310): 1228.35,1188.98 1259.84,1157.48 1259.84,1129.92 1224.41,1129.92 1216.54,1137.8 1173.23,1137.8 1153.54,1157.48 1114.17,1157.48 1114.17,1169.29 1153.54,1169.29 1161.42,1177.17 1188.98,1177.17 1200.79,1188.98
NetC9_2 on Bottom Layer "NETC9_2_L04_P315" (solid, remove dead copper, pour order 315): 723.52,685.04 723.52,1078.74 515.75,1078.74 515.75,685.04
VWPT on Bottom Layer "VWPT_L04_P317" (solid, remove dead copper, pour order 317): 850.15,576.83 763.78,576.83 763.78,791.34 1248.03,791.34 1248.03,576.83 1102.36,576.83 1102.36,297.3 850.15,297.3
NetC2_2 on Bottom Layer "NETC2_2_L04_P316" (solid, remove dead copper, pour order 316): 1322.83,681.1 1322.83,1082.68 1500,1082.68 1500,681.1
NetB5_1 on Bottom Layer "NETB5_1_L04_P312" (solid, remove dead copper, pour order 312): 677.17,669.29 515.75,669.29 515.75,492.13 677.17,492.13
AGND on Bottom Layer "AGND_L04_P314" (solid, remove dead copper, pour order 314): 1157.48,1440.94 1157.48,1515.75 763.78,1515.75 763.78,1409.45 889.76,1409.45 889.76,1440.94 976.38,1440.94 976.38,1346.46 1011.81,1311.02 1011.81,1275.59 1023.62,1275.59 1023.62,1377.95 1003.94,1397.64 1003.94,1440.94
AGND on Bottom Layer "AGND_L04_P311" (solid, remove dead copper, pour order 311): 818.9,1188.98 783.46,1153.54 783.46,1133.86 877.95,1133.86 901.58,1157.48 940.94,1157.48 940.94,1169.29 901.57,1169.29 893.7,1177.17 866.14,1177.17 854.33,1188.98
AGND on Layer 1 "AGND_L02_P301" (solid, remove dead copper, pour order 301): 1968.5,1968.5 0,1968.51 0,0 1968.5,0
NetB5_1 on Layer 1 "NETB5_1_L02_P299" (solid, remove dead copper, pour order 299): 677.17,669.29 515.75,669.29 515.75,492.13 677.17,492.13
NetB6_2 on Layer 1 "NETB6_2_L02_P298" (solid, remove dead copper, pour order 298): 1421.26,649.61 1421.26,480.31 1259.84,480.31 1259.84,649.61
VWPT on Layer 1 "VWPT_L02_P300" (solid, remove dead copper, pour order 300): 850.15,576.83 763.78,576.83 763.78,791.34 1248.03,791.34 1248.03,576.83 1102.36,576.83 1102.36,297.3 850.15,297.3
AGND on Layer 2 "AGND_L03_P309" (solid, remove dead copper, pour order 309): 519.68,1086.62 519.68,1287.4 1374.02,1287.4 1374.02,1968.5 1968.51,1968.5 1968.5,0 1102.12,0 1102.11,590.55 1248.03,590.55 1248.03,401.57 1433.07,401.57 1433.07,1086.61
NetC2_2 on Layer 2 "NETC2_2_L03_P306" (solid, remove dead copper, pour order 306): 1500,681.1 1259.84,681.1 1259.84,807.09 1031.5,807.09 1031.5,1082.68 1500,1082.68
VOUT on Layer 2 "Top Layer-VOUT" (solid, remove dead copper, pour order 308): 503.94,1299.21 503.94,1019.68 0,1019.68 0,1968.5 1366.14,1968.5 1366.14,1299.21
VWPT on Layer 2 "VWPT_L03_P307" (solid, remove dead copper, pour order 307): 850.15,288.42 507.87,288.42 507.87,1000 0,1000 0,0 1102.36,0 1102.36,576.83 1248.03,576.83 1248.03,791.34 763.78,791.34 763.78,576.83 850.15,576.83
NetC9_2 on Layer 2 "NETC9_2_L03_P305" (solid, remove dead copper, pour order 305): 515.75,681.1 755.91,681.1 755.91,807.09 992.13,807.09 992.13,1082.68 515.75,1082.68
NetB5_1 on Layer 2 "NETB5_1_L03_P303" (solid, remove dead copper, pour order 303): 677.17,669.29 515.75,669.29 515.75,476.38 677.17,476.38
AGND on Layer 2 "AGND_L03_P304" (solid, remove dead copper, pour order 304): 688.98,409.45 515.75,409.45 515.75,236.31 850.39,236.31 850.39,574.8 688.98,574.8
NetB6_2 on Layer 2 "NETB6_2_L03_P302" (solid, remove dead copper, pour order 302): 1421.26,669.29 1421.26,476.38 1260.4,476.38 1260.4,669.29

## Keep-outs
Keep-Out Layer:
  the board outline again, w16

## Other copper
Top Layer:
  drawing of 24 lines, arcs and shapes, not listed
  text "REV 1.0.3" at 112.38,1043.11 h32 r90
Bottom Layer:
  drawing of 23 lines, arcs and shapes, not listed
  text "REV 1.0.3" at 116.31,956.89 h32 r90
Multi-Layer:
  pour cut-out: 618.11,464.57 640.89,464.57 cw(c618.11,464.57) 618.11,441.78
  pour cut-out: 618.11,464.57 618.11,487.35 cw(c618.11,464.57) 640.89,464.57
  pour cut-out: 618.11,464.57 595.33,464.57 cw(c618.11,464.57) 618.11,487.35
  pour cut-out: 618.11,464.57 618.11,441.78 cw(c618.11,464.57) 595.33,464.57
  pour cut-out: 618.11,433.07 640.89,433.07 cw(c618.11,433.07) 618.11,410.29
  pour cut-out: 618.11,433.07 618.11,455.85 cw(c618.11,433.07) 640.89,433.07
  pour cut-out: 618.11,433.07 595.33,433.07 cw(c618.11,433.07) 618.11,455.85
  pour cut-out: 618.11,433.07 618.11,410.29 cw(c618.11,433.07) 595.33,433.07
  pour cut-out: 1330.71,460.63 1353.49,460.63 cw(c1330.71,460.63) 1330.71,437.85
  pour cut-out: 1330.71,460.63 1330.71,483.41 cw(c1330.71,460.63) 1353.49,460.63
  pour cut-out: 1330.71,460.63 1307.93,460.63 cw(c1330.71,460.63) 1330.71,483.41
  pour cut-out: 1330.71,460.63 1330.71,437.85 cw(c1330.71,460.63) 1307.93,460.63
  pour cut-out: 1330.71,429.13 1330.71,406.35 cw(c1330.71,429.13) 1307.93,429.13
  pour cut-out: 1330.71,429.13 1307.93,429.13 cw(c1330.71,429.13) 1330.71,451.92
  pour cut-out: 1330.71,429.13 1330.71,451.92 cw(c1330.71,429.13) 1353.49,429.13
  pour cut-out: 1330.71,429.13 1353.49,429.13 cw(c1330.71,429.13) 1330.71,406.35

## Silkscreen, mask and mechanical layers (free items; w line width, h text height)
Top Solder:
  drawing of 23 lines, arcs and shapes, not listed
Bottom Solder:
  drawing of 23 lines, arcs and shapes, not listed

## Text inside footprints (layer, text, board x,y; h text height)
C13: Top Overlay "+" at 579.92,1560.47 h34 r180
C14: Top Overlay "+" at 788.58,1564.41 h34 r180
C15: Top Overlay "+" at 993.31,1568.35 h34 r180
C16: Top Overlay "+" at 1198.03,1568.35 h34 r180